# Allegro board 6089-103-RevB_76.brd (continued)
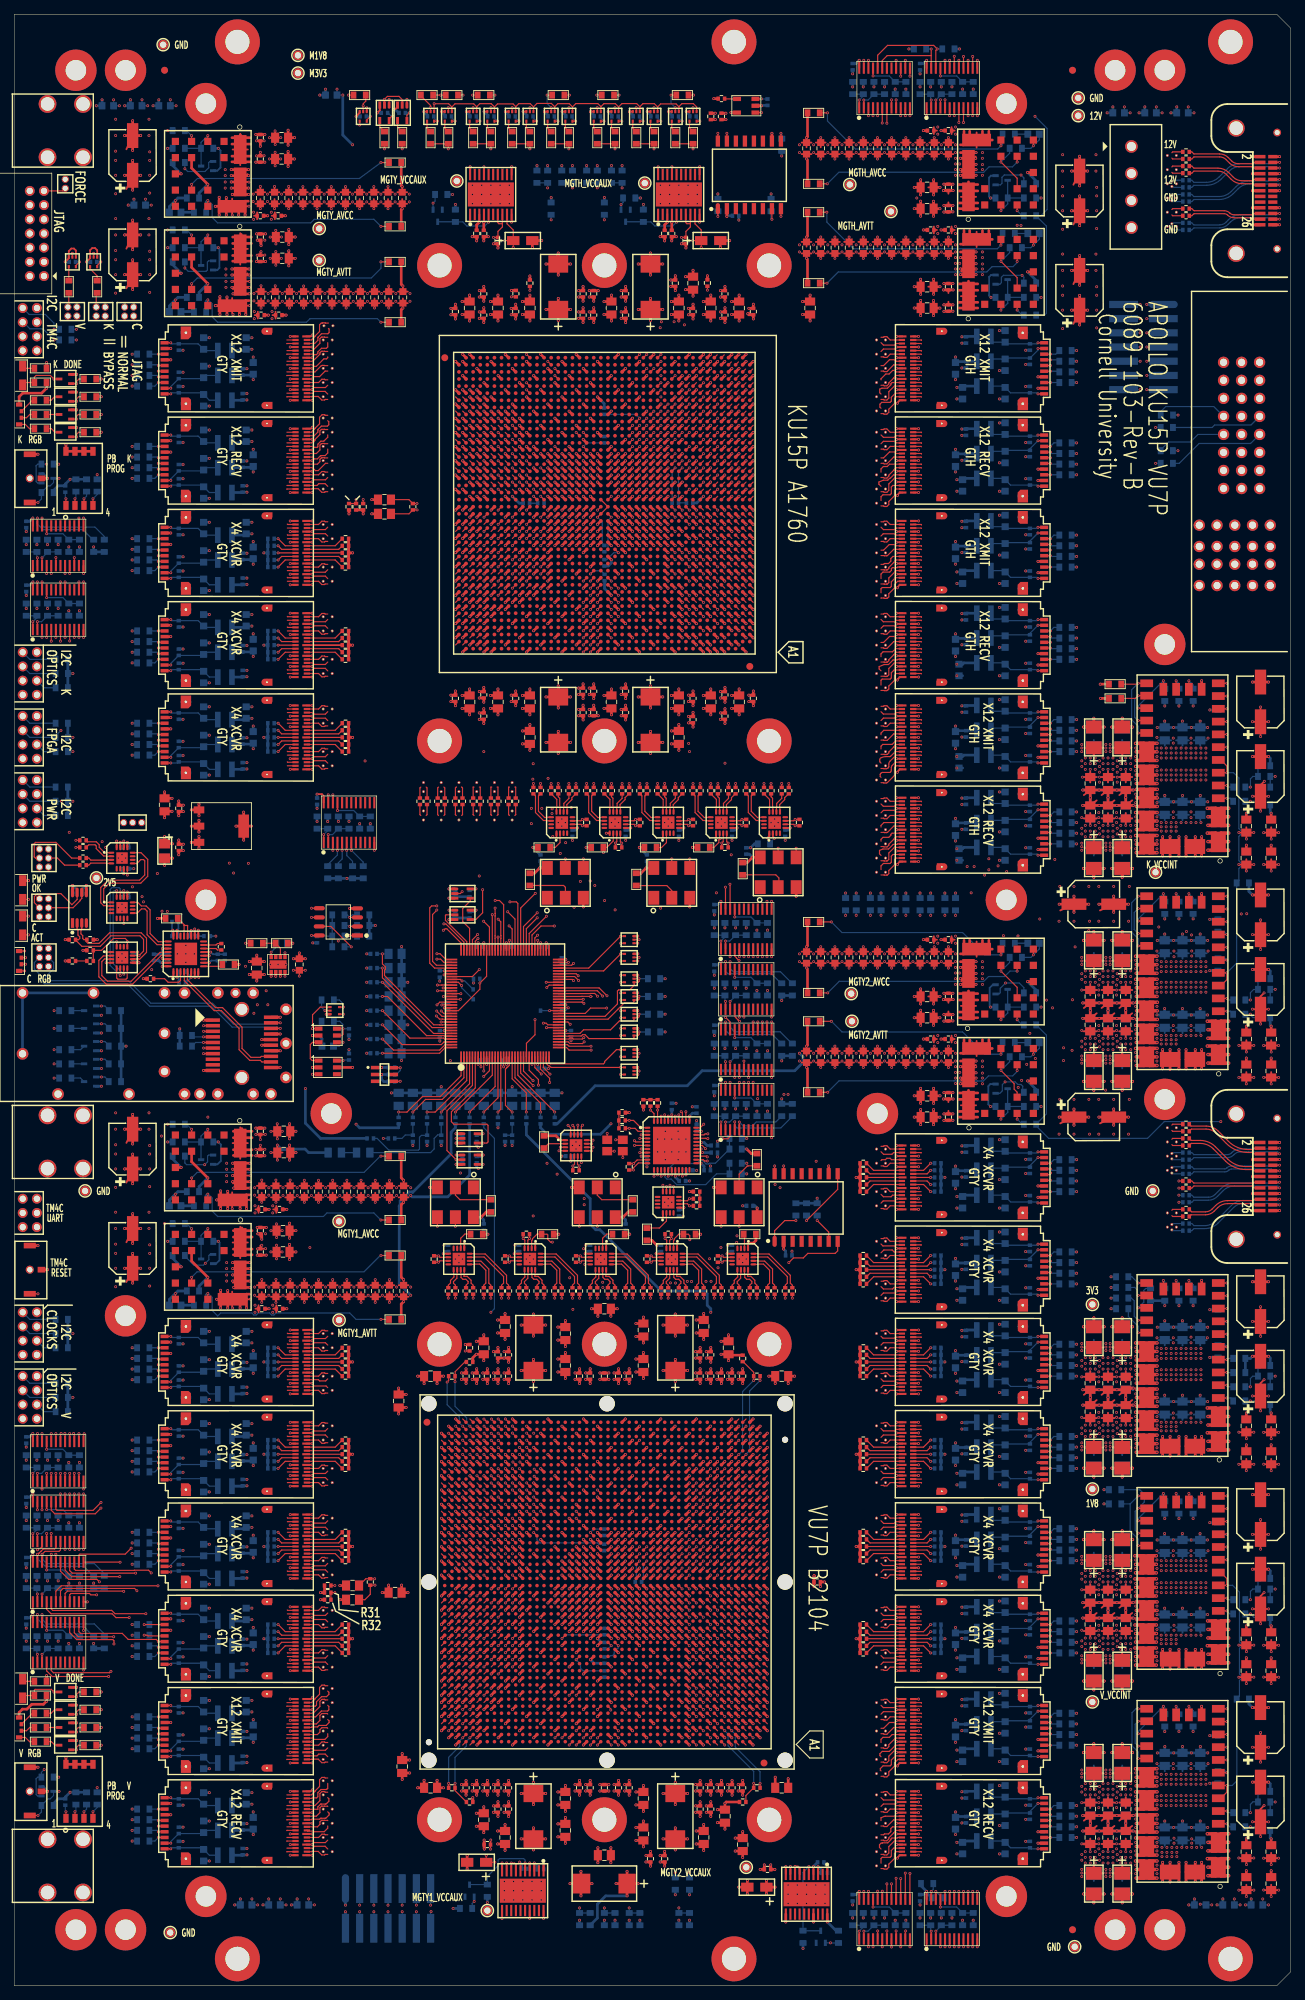
[diagram p0: board, top side]
## Routing (per net, layer and track width the routed paths; a pad name or vN(x,y) marks a point on that pad's centre or on a via; arc(x,y) is an arc through that point) (continued)
K_VCCINT_A_SCL: length 99
  TOP w0.165: U91.7 v1(103.53,145) ; U122.10 v1(170.95,179.93)
  SIG1 w0.079: v1(103.53,145) 103.55,145 107.05,148.5 123.37,148.5 v1(125.7,150.83) ; v1(170.95,179.93) 169.2,178.17 169.2,156.4 162.78,149.98 162.15,149.98 v1(161.35,149.19)
  SIG4 w0.079: v1(125.7,150.83) 127.34,149.19 v1(161.35,149.19)
  BOTTOM w0.165: R388.1 v1(125.7,150.83)
K_VCCINT_A_SDA: length 104.3
  TOP w0.165: U91.6 v1(102.88,145) ; U122.11 v1(170.95,181.72)
  SIG1 w0.079: v1(170.95,181.72) 170.43,181.2 156.8,181.2 152.06,176.46 152.06,156.54 151.86,156.34 151.86,156.05 152.19,155.71 152.19,149.37 v1(151.49,148.66) ; v1(102.88,145) 106.26,148.38 106.46,148.38 106.92,148.84 122.22,148.84 v1(124.2,150.83)
  SIG3 w0.079: v1(151.49,148.66) 151.44,148.66 150.82,149.27 125.75,149.27 v1(124.2,150.83)
  BOTTOM w0.165: R391.1 v1(124.2,150.83)
K_VCCINT_B_SCL: length 72.2
  TOP w0.165: U91.9 v1(104.83,145) ; U123.10 v1(170.95,149.93)
  SIG1 w0.079: v1(104.83,145) 104.84,145 107.64,147.8 126.17,147.8 v1(129.2,150.83)
  SIG4 w0.079: v1(170.95,149.93) 170.64,149.61 130.42,149.61 v1(129.2,150.83)
  BOTTOM w0.165: R380.1 v1(129.2,150.83)
K_VCCINT_B_SDA: length 73.7
  TOP w0.165: U91.8 v1(104.17,145) ; U123.11 v1(170.95,151.72)
  SIG1 w0.079: v1(127.7,150.83) 124.97,148.1 107.28,148.1 v1(104.17,145)
  SIG3 w0.079: v1(170.95,151.72) 170.64,151.41 158.29,151.41 157.97,151.72 146.9,151.72 144.99,149.81 128.71,149.81 v1(127.7,150.83)
  BOTTOM w0.165: R385.1 v1(127.7,150.83)
K_VCCINT_PG_A: length 11.2
  TOP w0.165: U69.4 v1(85.49,147.9) 80.99,143.4 U52.61
K_VCCINT_PG_A_1: length 110.5
  TOP w0.165: U69.1 v1(87.91,146.9)
  SIG1 w0.079: v1(173.75,151.06) 172.98,151.83 172.98,157.83 172.99,157.84 172.99,162.65 172.98,162.66 172.98,165.61 v1(174.27,166.9)
  SIG4 w0.079: v1(173.75,151.06) 173.75,150.19 169.87,146.3 158.74,146.3 158.5,146.06 149.76,146.06 149.71,146.01 149.41,146.01 149.36,146.06 99.51,146.06 98.67,146.9 v1(87.91,146.9)
  BOTTOM w0.165: R216.2 v1(174.27,166.9) 174.84,166.9 R196.1 R195.2
K_VCCINT_PG_A_2: length 112.1
  TOP w0.165: U69.2 v1(88.09,147.4)
  SIG1 w0.079: v1(174.27,168.9) 172.1,166.73 172.1,151.91 v1(172.99,151.03)
  SIG4 w0.079: v1(88.09,147.4) 88.49,147.8 128.81,147.8 130.06,146.56 130.34,146.56 130.59,146.8 132.31,146.8 132.56,146.56 132.84,146.56 133.18,146.89 168.88,146.89 172.99,151 v1(172.99,151.03)
  BOTTOM w0.165: R215.2 v1(174.27,168.9) 174.28,168.91 174.28,170.06 174.62,170.4 R194.2 R193.1
K_VCCINT_PG_B: length 10.3
  TOP w0.165: U70.4 v1(85.49,145.4) 83.09,143 U52.60
K_VCCINT_PG_B_1: length 95.8
  TOP w0.165: U70.1 v1(87.91,144.4)
  SIG4 w0.079: v1(87.91,144.4) 89.26,143.04 138.65,143.04 138.95,143.34 142.86,143.34 150.53,135.67 160.97,135.67 160.97,135.67 161.57,135.67 162.3,136.4 173.77,136.4 v1(174.27,136.9)
  BOTTOM w0.165: R199.2 R200.1 175.31,136.43 174.64,136.43 174.27,136.8 v1(174.27,136.9) R218.2
K_VCCINT_PG_B_2: length 94.9
  TOP w0.165: U70.2 v1(88.09,144.9)
  SIG4 w0.079: v1(174.27,138.9) 173.58,139.59 170.9,139.59 170.31,139 160.56,139 160.48,138.92 151.07,138.92 145.99,144 136.69,144 136.64,143.96 112.56,143.96 112.51,144 111.82,144 111.27,143.46 99.88,143.46 98.43,144.9 v1(88.09,144.9)
  BOTTOM w0.165: R197.1 R198.2 175.32,140.38 174.73,140.38 174.27,139.92 v1(174.27,138.9) R217.2
K_VCCINT_PWR_EN: length 127.5
  TOP w0.165: U123.6 v1(170.95,142.72) 170.96,142.72 170.96,141.76 170.12,140.93 U123.5 ; U71.4 v1(85.49,142.4) ; U122.5 v1(170.95,170.93) 170.96,170.93 170.96,171.87 170.1,172.72 U122.6
  SIG4 w0.079: v1(85.49,142.4) 85.49,143.47 87.81,145.79 160.62,145.79 160.96,145.44 168.24,145.44 v1(170.95,142.72)
  BOTTOM w0.165: v1(170.95,170.93) 171.91,170.93 172.65,170.19 172.65,163.05 173.03,162.67 173.03,162.34 172.65,161.96 172.65,158.53 173.03,158.14 173.03,157.82 172.65,157.43 172.65,155.71 R213.1 172.34,144.11 v1(170.95,142.72)
KU15P_FROM_TM4C_0: length 60.3
  TOP w0.165: U46.4 65.08,150.24 66.03,151.19 v1(66.03,154.44) ; U65.D22 v1(82.23,190.93)
  SIG2 w0.079: v1(81.84,155.03) 81.77,155.03 81.18,154.44 v1(66.03,154.44)
  SIG4 w0.079: v1(81.84,155.03) 81.84,163.12 80.23,164.73 80.23,175.9 82.12,177.78 82.12,178.68 81.99,178.81 81.99,179.09 82.25,179.35 82.25,183.66 82.12,183.79 82.12,187.01 82.83,187.72 82.83,190.39 82.29,190.93 v1(82.23,190.93)
KU15P_TO_TM4C_0: length 62.4
  TOP w0.165: U45.2 62.89,153.9 v1(63.15,154.16) ; U65.H22 v1(82.23,194.93)
  SIG2 w0.079: v1(63.15,154.16) 63.98,154.99 80.52,154.99 v1(81.2,155.67)
  SIG4 w0.079: v1(81.2,155.67) 80.92,155.95 80.92,159.91 81.28,160.27 81.28,160.95 79.49,162.74 79.49,162.74 79.75,163.01 79.75,163.29 79.49,163.56 79.49,169.17 79.57,169.25 79.57,169.56 79.49,169.64 79.49,175.88 81.74,178.13 81.74,179.99 82.04,180.29 82.04,183.58 81.74,183.88 81.74,194.4 82.23,194.89 v1(82.23,194.93)
NCDR_DAT_CML: length 17.5
  TOP w0.165: U8.3 9.53,148.9 9.41,148.79 9.41,148.22 9.66,147.97 9.66,147.57 9.82,147.4 R18.2 10.25,147.05 10.42,146.89 11.97,146.89 13.45,148.37 17.91,148.37 18.65,147.62 18.65,145.62 17.69,144.65 v1(17.41,144.65) U12.10 16.78,144.73 17.05,144.73
NCDR_DATA: length 6.1
  TOP w0.165: J10.5 8.3,151.9 9.29,152.9 9.29,152.97 9.53,153.2 U8.6
Net_1878: length 0.7
  TOP w0.165: 82.69,69.4 v1(82.23,69.86)
Net_2125: length 0.7
  TOP w0.165: 87.7,76.41 v1(88.16,76.87)
Net_2769: length 0.7
  TOP w0.165: 89.7,221.4 v1(90.17,221.87)
Net_2770: length 0.7
  TOP w0.165: 90.7,221.4 v1(91.17,221.87)
Net_2987: length 1.2
  TOP w0.165: 169.75,91.83 v1(170.95,91.83)
Net_2988: length 1.2
  TOP w0.165: 169.75,99.03 v1(170.95,99.03)
Net_3022: length 1.1
  TOP w0.165: 2.62,45.6 v1(2.62,44.5)
Net_3023: length 1.1
  TOP w0.165: 5.22,59.7 v1(5.22,60.8)
Net_3024: length 1.1
  TOP w0.165: 5.88,59.7 v1(5.88,60.8)
Net_3027: length 1.1
  TOP w0.165: 2.62,54.1 v1(2.62,53)
Net_3028: length 1.1
  TOP w0.165: 128.62,6.6 v1(128.62,5.5)
Net_3033: length 1.1
  TOP w0.165: 2.62,200.1 v1(2.62,199)
Net_3034: length 1.1
  TOP w0.165: 128.62,264.6 v1(128.62,263.5)
Net_3057: length 1.1
  TOP w0.165: 7.17,68.2 v1(7.17,69.3)
Net_3058: length 1.1
  TOP w0.165: 8.47,68.2 v1(8.47,69.3)
Net_3059: length 1.1
  TOP w0.165: 9.78,68.2 v1(9.78,69.3)
Net_3060: length 1.2
  TOP w0.165: v1(8.56,61.47) 8.47,61.47 8.47,62.6
Net_3061: length 1.1
  TOP w0.165: 6.53,68.2 v1(6.53,69.3)
Net_3062: length 1.1
  TOP w0.165: 7.83,68.2 v1(7.83,69.3)
Net_3063: length 1.1
  TOP w0.165: 9.12,68.2 v1(9.12,69.3)
Net_3064: length 1.1
  TOP w0.165: 9.12,62.6 v1(9.12,61.5)
Net_3065: length 1.1
  TOP w0.165: 5.88,76.7 v1(5.88,77.8)
Net_3066: length 1.2
  TOP w0.165: v1(7.15,77.83) 7.17,77.83 7.17,76.7
Net_3067: length 1.1
  TOP w0.165: 5.22,76.7 v1(5.22,77.8)
Net_3068: length 1.2
  TOP w0.165: v1(6.61,77.83) 6.53,77.83 6.53,76.7
Net_3139: length 1.2
  TOP w0.165: 169.75,39.02 v1(170.95,39.02)
Net_3140: length 1.2
  TOP w0.165: 169.75,69.03 v1(170.95,69.03)
Net_3141: length 1.2
  TOP w0.165: 169.75,153.53 v1(170.95,153.53)
Net_3142: length 1.2
  TOP w0.165: 169.75,183.53 v1(170.95,183.53)
Net_3186: length 0.9
  TOP w0.165: 79.95,116.9 v1(79.95,116)
Net_3187: length 0.7
  TOP w0.165: 77.7,118.15 v1(76.99,118.15)
Net_3188: length 0.9
  TOP w0.165: 77.7,117.65 v1(76.8,117.65)
Net_3197: length 0.7
  TOP w0.165: 93.2,121.83 v1(93.2,122.53)
Net_3198: length 0.9
  TOP w0.165: 91.7,121.83 v1(91.7,122.72)
Net_3199: length 0.7
  TOP w0.165: 91.2,121.83 v1(91.2,122.53)
NHIGH_PERF_CLK0: length 24.5
  TOP w0.165: R127.2 v1(89.81,101.95) 90.01,102.15 U83.7 ; U61.10 v1(81.6,118.15)
  SIG2 w0.083: v1(81.6,118.15) 81.14,118.15 80.59,117.6 80.59,111.22 80.73,111.08 80.73,110.77 80.59,110.63 80.59,110.35 80.73,110.21 80.73,110.09 88.52,102.3 89.73,102.3 89.81,102.21 v1(89.81,101.95)
NHIGH_PERF_CLK1: length 28.3
  TOP w0.165: U56.7 70.01,102.15 v1(69.81,101.95) R97.2 ; U61.12 v1(81.6,119.15)
  SIG1 w0.083: v1(81.6,119.15) 81.88,119.15 82.36,118.67 82.36,117.53 81.83,117.01 78.14,117.01 71.36,110.23 71.36,103.23 70.42,102.3 69.89,102.3 69.81,102.21 v1(69.81,101.95)
NHIGH_PERF_CLK2: length 65.2
  TOP w0.165: U61.14 79.46,119.91 v1(79.46,121.26) ; U87.7 102.39,164.15 v1(102.59,164.35) R147.2
  SIG1 w0.083: v1(79.46,121.26) 79.69,121.49 79.69,123.53 84.03,127.88 84.03,161.32 84.96,162.25 99.4,162.25 101.17,164.02 102.26,164.02 v1(102.59,164.35)
NHIGH_PERF_CLK3: length 52.5
  TOP w0.165: R125.2 v1(87.59,164.35) 87.39,164.15 U68.7 ; U61.16 78.45,120.87 v1(78.08,121.23)
  SIG1 w0.083: v1(87.59,164.35) 87.59,164.09 87.51,164 87.31,164 87.3,164 86.75,164 85.72,162.97 83.23,162.97 82.22,161.96 82.22,142.43 79.48,139.7 79.48,133.63 78.26,132.41 78.26,121.42 v1(78.08,121.23)
NHIGH_PERF_CLK_BUF0: length 17.7
  TOP w0.165: R110.1 v1(79.65,115.51) 79.41,115.75 79.41,116.22 79.45,116.26 U61.7 ; U80.12 v1(91.45,112.8)
  SIG1 w0.083: v1(79.65,115.51) 79.39,115.51 79.3,115.43 79.3,115.31 82.7,111.91 90.95,111.91 91.45,112.41 91.45,112.41 v1(91.45,112.8)
NHIGH_PERF_CLK_BUF1: length 10.7
  TOP w0.165: R121.1 v1(87.31,114.95) 87.31,115.26 87.99,115.94 88.59,115.94 88.63,115.9 U81.11 ; U80.10 v1(92.45,112.8)
  SIG1 w0.083: v1(87.31,114.95) 87.31,115.21 87.39,115.3 88,115.3 89.95,113.35 92.15,113.35 92.45,113.05 v1(92.45,112.8)
NK_CDR_DATA: length 105
  TOP w0.165: U65.G24 v1(80.23,193.93)
  SIG3 w0.083: v1(80.23,193.93) 80.23,194.24 80.14,194.32 80.12,194.32 80.12,194.32 80.03,194.32 79.95,194.32 79.94,194.33 79.94,194.33 55.27,194.33 49.81,188.87 49.81,175.01 44.19,169.39 15.88,169.39 6.25,159.76 6.25,157.33 4.3,155.38 4.3,153.7 J10.4
NK_FF1_RECV0: length 50.6
  TOP w0.165: 122.2,166.52 122.52,166.2 124.14,166.2 124.34,166.4 U109.A17 ; U65.R3 102.17,201.93
  SIG4 w0.083: 102.17,201.93 101.86,201.93 101.78,202.01 101.78,202.13 arc(101.82,202.23) 101.92,202.27 104.27,202.27 arc(104.47,202.23) 104.64,202.12 111.52,195.24 arc(112.55,193.7) 112.9,191.9 112.91,190.11 arc(113.22,188.53) 114.12,187.19 119.63,181.67 arc(120.05,181.04) 120.2,180.3 120.2,171.06 arc(120.19,171.03) 120.16,171.01 arc(120.13,171) 120.11,170.97 120.11,170.73 arc(120.13,170.7) 120.16,170.68 arc(120.19,170.67) 120.2,170.64 120.2,170.4 arc(120.19,170.37) 120.16,170.35 arc(120.13,170.34) 120.11,170.31 120.11,170.07 arc(120.13,170.04) 120.16,170.02 arc(120.19,170.01) 120.2,169.98 120.2,169.74 arc(120.19,169.71) 120.16,169.69 arc(120.13,169.68) 120.11,169.65 120.11,169.41 arc(120.13,169.38) 120.16,169.36 arc(120.19,169.35) 120.2,169.32 120.2,167.89 arc(120.27,167.53) 120.47,167.23 120.79,166.92 arc(120.86,166.87) 120.95,166.85 121.03,166.85 arc(121.07,166.84) 121.11,166.81 121.33,166.6 arc(121.42,166.54) 121.52,166.52 122.2,166.52
NK_FF1_RECV1: length 49.8
  TOP w0.165: U109.B17 127.85,166.4 127.9,166.35 ; U65.P1 104.17,200.93
  SIG2 w0.083: 127.9,166.35 127.61,166.35 127.45,166.51 124.31,166.51 arc(123.8,166.61) 123.37,166.9 121.3,168.97 arc(121.26,168.99) 121.22,168.97 arc(121.18,168.96) 121.14,168.97 120.99,169.13 arc(120.97,169.17) 120.99,169.21 arc(121,169.25) 120.99,169.28 120.83,169.44 arc(120.79,169.46) 120.75,169.44 arc(120.72,169.43) 120.68,169.44 120.52,169.6 arc(120.5,169.64) 120.52,169.67 arc(120.54,169.71) 120.52,169.75 120.36,169.91 arc(120.33,169.92) 120.29,169.91 arc(120.25,169.89) 120.21,169.91 120.05,170.06 arc(120.04,170.1) 120.05,170.14 arc(120.07,170.18) 120.05,170.22 119.55,170.73 arc(118.45,172.37) 118.06,174.3 118.06,177.98 arc(117.7,179.82) 116.66,181.38 116.66,181.38 114.01,184.03 arc(112.77,185.88) 112.33,188.07 112.33,191.89 arc(112.03,193.43) 111.16,194.72 104.72,201.17 arc(104.49,201.32) 104.23,201.37 103.9,201.37 arc(103.86,201.36) 103.84,201.35 103.8,201.31 arc(103.78,201.29) 103.78,201.25 103.78,201.01 103.86,200.93 104.17,200.93
NK_FF1_RECV2: length 50.9
  TOP w0.165: 122.2,164.52 122.56,164.52 122.64,164.44 123.03,164.44 123.49,164.9 U109.A14 ; U65.N3 102.17,199.93
  SIG4 w0.083: 122.2,164.52 121.53,164.52 arc(121.39,164.55) 121.28,164.62 121.21,164.69 arc(121.09,164.77) 120.95,164.8 120.73,164.8 arc(120.61,164.82) 120.51,164.89 119.28,166.12 arc(118.96,166.6) 118.85,167.16 118.85,168.4 arc(118.84,168.43) 118.81,168.45 arc(118.77,168.46) 118.76,168.49 118.76,168.73 arc(118.77,168.76) 118.81,168.78 arc(118.84,168.79) 118.85,168.82 118.85,169.06 arc(118.84,169.09) 118.81,169.11 arc(118.77,169.12) 118.76,169.15 118.76,169.39 arc(118.77,169.42) 118.81,169.44 arc(118.84,169.45) 118.85,169.48 118.85,169.72 arc(118.84,169.75) 118.81,169.77 arc(118.77,169.78) 118.76,169.81 118.76,170.05 arc(118.77,170.08) 118.81,170.1 arc(118.84,170.11) 118.85,170.14 118.85,179.44 arc(118.62,180.6) 117.96,181.59 113.05,186.5 arc(112.09,187.93) 111.76,189.61 111.76,191.78 arc(111.52,193) 110.82,194.04 104.7,200.16 arc(104.54,200.27) 104.34,200.31 101.93,200.31 arc(101.82,200.27) 101.78,200.16 101.78,200.01 101.86,199.93 102.17,199.93
NK_FF1_RECV3: length 49.9
  TOP w0.165: 127.9,164.85 127.85,164.9 U109.B14 ; U65.M1 104.17,198.93
  SIG2 w0.083: 127.9,164.85 127.61,164.85 127.49,164.97 124.63,164.97 arc(124.29,165.04) 124,165.23 123.67,165.56 arc(123.44,165.71) 123.17,165.77 122.23,165.77 arc(121.79,165.85) 121.41,166.1 119.77,167.75 arc(119.73,167.77) 119.69,167.75 arc(119.65,167.74) 119.61,167.75 119.46,167.91 arc(119.44,167.95) 119.46,167.98 arc(119.47,168.02) 119.46,168.06 119.3,168.22 arc(119.26,168.23) 119.22,168.22 arc(119.18,168.2) 119.15,168.22 118.99,168.38 arc(118.97,168.41) 118.99,168.45 118.99,168.45 arc(119,168.49) 118.99,168.53 118.83,168.69 arc(118.79,168.7) 118.76,168.69 118.76,168.69 arc(118.72,168.67) 118.68,168.69 118.52,168.84 arc(118.51,168.88) 118.52,168.92 arc(118.54,168.96) 118.52,169 117.95,169.57 arc(117.05,170.92) 116.73,172.51 116.73,177.63 arc(116.42,179.2) 115.53,180.52 112.77,183.29 arc(111.59,185.06) 111.17,187.15 111.17,191.08 arc(110.88,192.54) 110.05,193.79 104.76,199.07 arc(104.51,199.24) 104.21,199.3 103.9,199.3 arc(103.86,199.29) 103.84,199.28 103.8,199.24 arc(103.78,199.21) 103.78,199.18 103.78,199.01 103.86,198.93 104.17,198.93
NK_FF1_RECV4: length 50.8
  TOP w0.165: 122.2,162.52 122.63,162.52 122.66,162.49 123.01,162.49 123.04,162.52 123.11,162.52 123.99,163.4 U109.A11 ; U65.L3 102.17,197.93
  SIG4 w0.083: 122.2,162.52 121.52,162.52 arc(121.42,162.54) 121.33,162.6 121.18,162.75 arc(121.13,162.79) 121.06,162.8 120.98,162.8 arc(120.87,162.82) 120.78,162.88 118.32,165.34 arc(117.67,166.32) 117.44,167.47 117.44,168.32 arc(117.43,168.35) 117.39,168.37 arc(117.36,168.38) 117.34,168.41 117.34,168.65 arc(117.36,168.68) 117.39,168.7 arc(117.43,168.71) 117.44,168.74 117.44,168.98 arc(117.43,169.01) 117.39,169.03 arc(117.36,169.04) 117.34,169.07 117.34,169.31 arc(117.36,169.34) 117.39,169.36 arc(117.43,169.37) 117.44,169.4 117.44,169.64 arc(117.43,169.67) 117.39,169.69 arc(117.36,169.7) 117.34,169.73 117.34,169.97 arc(117.36,170) 117.39,170.02 arc(117.43,170.03) 117.44,170.06 117.44,179.06 arc(117.21,180.21) 116.56,181.19 111.84,185.91 arc(110.83,187.42) 110.48,189.19 110.48,190.98 arc(110.23,192.24) 109.52,193.31 104.78,198.04 arc(104.53,198.21) 104.23,198.27 101.9,198.27 arc(101.86,198.26) 101.83,198.24 arc(101.8,198.18) 101.78,198.11 arc(101.78,198.08) 101.77,198.05 arc(101.78,197.99) 101.82,197.94 arc(101.88,197.92) 101.95,197.93 102.17,197.93
NK_FF1_RECV5: length 50
  TOP w0.165: U65.K1 104.17,196.93 ; U109.B11 127.85,163.4 127.9,163.35
  SIG2 w0.083: 127.9,163.35 127.61,163.35 127.44,163.52 126.39,163.52 arc(126.21,163.56) 126.06,163.66 125.93,163.79 arc(125.91,163.81) 125.87,163.81 122.01,163.81 arc(121.66,163.88) 121.37,164.07 118.7,166.75 arc(118.66,166.76) 118.62,166.75 arc(118.57,166.73) 118.53,166.75 118.38,166.89 arc(118.36,166.94) 118.38,166.98 arc(118.4,167.02) 118.38,167.07 118.23,167.21 arc(118.19,167.23) 118.15,167.21 arc(118.11,167.2) 118.06,167.21 117.92,167.36 arc(117.9,167.4) 117.92,167.45 arc(117.93,167.49) 117.92,167.53 117.77,167.68 arc(117.73,167.7) 117.68,167.68 arc(117.64,167.66) 117.6,167.68 117.45,167.83 arc(117.43,167.87) 117.45,167.91 arc(117.47,167.96) 117.45,168 116.66,168.79 arc(115.7,170.23) 115.36,171.92 115.36,177.14 arc(115,178.94) 113.98,180.46 111.34,183.1 arc(110.24,184.75) 109.86,186.7 109.86,190.69 arc(109.62,191.88) 108.94,192.9 104.72,197.12 arc(104.44,197.3) 104.11,197.37 103.9,197.37 arc(103.86,197.36) 103.84,197.35 103.8,197.31 arc(103.78,197.29) 103.78,197.25 103.78,197.01 103.86,196.93 104.17,196.93
NK_FF1_RECV6: length 51
  TOP w0.165: U109.A8 124.35,161.9 124.24,161.79 124.23,161.79 124,161.56 124,161.55 123.3,160.85 123.3,160.71 123.06,160.47 122.61,160.47 122.56,160.52 122.2,160.52 ; U65.J3 102.17,195.93
  SIG4 w0.083: 102.17,195.93 101.86,195.93 101.78,196.01 101.78,196.16 arc(101.82,196.26) 101.93,196.31 104.21,196.31 arc(104.48,196.25) 104.71,196.1 108.27,192.54 arc(109.01,191.42) 109.27,190.11 109.28,190.11 109.28,188.65 arc(109.62,186.92) 110.6,185.45 114.74,181.31 arc(115.59,180.04) 115.89,178.53 115.89,167.58 arc(116.23,165.86) 117.21,164.4 118.17,163.44 arc(118.18,163.41) 118.17,163.37 arc(118.15,163.34) 118.17,163.3 118.33,163.14 arc(118.37,163.12) 118.4,163.14 arc(118.44,163.15) 118.47,163.14 118.64,162.97 arc(118.65,162.94) 118.64,162.9 arc(118.62,162.87) 118.64,162.83 118.8,162.67 arc(118.83,162.66) 118.87,162.67 arc(118.9,162.69) 118.94,162.67 119.1,162.51 arc(119.12,162.47) 119.1,162.44 arc(119.09,162.4) 119.1,162.37 119.27,162.2 arc(119.3,162.19) 119.34,162.2 arc(119.37,162.22) 119.41,162.2 120.76,160.85 arc(120.82,160.81) 120.89,160.8 121.06,160.8 arc(121.13,160.78) 121.2,160.74 121.33,160.6 arc(121.43,160.54) 121.54,160.52 122.2,160.52
NK_FF1_RECV7: length 49.9
  TOP w0.165: U109.B8 127.85,161.9 127.9,161.85 ; U65.H1 104.17,194.93
  SIG2 w0.083: 104.17,194.93 103.86,194.93 103.78,195.01 103.78,195.25 arc(103.78,195.29) 103.8,195.31 103.84,195.35 arc(103.86,195.36) 103.9,195.37 104.39,195.37 arc(104.53,195.34) 104.65,195.26 107.83,192.09 arc(108.49,191.09) 108.72,189.93 108.72,186.09 arc(109.08,184.3) 110.1,182.78 112.45,180.43 arc(113.54,178.79) 113.92,176.86 113.92,171.26 arc(114.24,169.67) 115.14,168.32 116.76,166.7 arc(116.78,166.66) 116.76,166.63 arc(116.75,166.59) 116.76,166.55 116.93,166.39 arc(116.96,166.38) 117,166.39 arc(117.03,166.41) 117.07,166.39 117.23,166.23 arc(117.25,166.2) 117.23,166.16 117.23,166.16 arc(117.22,166.12) 117.23,166.09 117.39,165.93 arc(117.43,165.91) 117.46,165.93 arc(117.5,165.94) 117.54,165.93 121.28,162.18 arc(121.58,161.98) 121.93,161.91 124.94,161.91 arc(125.53,161.96) 126.1,162.12 arc(126.16,162.14) 126.22,162.16 arc(126.26,162.17) 126.3,162.17 127.33,162.17 arc(127.41,162.14) 127.45,162.06 arc(127.45,162.02) 127.48,161.98 127.58,161.88 arc(127.61,161.86) 127.65,161.85 127.9,161.85
NK_FF1_RECV8: length 51.6
  TOP w0.165: U109.A5 124.08,160.4 123.3,159.62 123.3,158.71 123.11,158.52 123.04,158.52 123.01,158.49 122.66,158.49 122.63,158.52 122.2,158.52 ; U65.G3 102.17,193.93
  SIG4 w0.083: 102.17,193.93 101.86,193.93 101.78,194.01 101.78,194.16 arc(101.78,194.19) 101.8,194.22 101.85,194.26 arc(101.88,194.28) 101.91,194.29 104.28,194.29 arc(104.5,194.24) 104.69,194.12 106.84,191.96 arc(107.8,190.52) 108.14,188.82 108.14,188.3 arc(108.45,186.74) 109.34,185.41 113.17,181.58 arc(113.93,180.44) 114.2,179.09 114.2,167.19 arc(114.52,165.59) 115.42,164.24 117.09,162.57 arc(117.11,162.52) 117.09,162.47 arc(117.07,162.42) 117.09,162.37 117.22,162.24 arc(117.27,162.22) 117.32,162.24 arc(117.37,162.26) 117.42,162.24 117.56,162.11 arc(117.58,162.06) 117.56,162.01 arc(117.53,161.96) 117.56,161.9 117.69,161.77 arc(117.74,161.75) 117.79,161.77 arc(117.84,161.79) 117.89,161.77 120.77,158.89 arc(120.87,158.82) 120.99,158.8 121.07,158.8 arc(121.12,158.79) 121.16,158.76 121.28,158.65 arc(121.42,158.55) 121.58,158.52 122.2,158.52
NK_FF1_RECV9: length 50.3
  TOP w0.165: U65.F1 104.17,192.93 ; 127.9,160.35 127.85,160.4 U109.B5
  SIG2 w0.083: 127.9,160.35 127.61,160.35 127.45,160.51 124.65,160.51 arc(124.34,160.45) 124.08,160.28 124,160.2 arc(123.68,159.99) 123.31,159.91 122.15,159.91 arc(121.68,160.01) 121.27,160.28 116.83,164.72 arc(116.78,164.74) 116.74,164.72 arc(116.7,164.7) 116.66,164.72 116.51,164.87 arc(116.49,164.91) 116.51,164.95 arc(116.53,164.99) 116.51,165.04 116.36,165.19 arc(116.32,165.2) 116.28,165.19 arc(116.23,165.17) 116.19,165.19 116.04,165.33 arc(116.02,165.38) 116.04,165.42 arc(116.06,165.46) 116.04,165.5 115.89,165.65 arc(115.85,165.67) 115.81,165.65 arc(115.77,165.63) 115.72,165.65 115.58,165.8 arc(115.56,165.84) 115.58,165.89 arc(115.59,165.93) 115.58,165.97 113.42,168.12 arc(112.73,169.16) 112.49,170.38 112.49,177.53 arc(112.25,178.71) 111.58,179.72 111.58,179.72 109,182.3 arc(107.94,183.88) 107.57,185.75 107.57,189.64 arc(107.4,190.5) 106.91,191.23 105.03,193.11 arc(104.74,193.3) 104.41,193.37 103.9,193.37 arc(103.86,193.36) 103.84,193.35 103.8,193.31 arc(103.78,193.29) 103.78,193.25 103.78,193.01 103.86,192.93 104.17,192.93
NK_FF1_RECV10: length 52.3
  TOP w0.165: 122.2,156.52 122.63,156.52 122.66,156.49 123.01,156.49 123.04,156.52 123.11,156.52 123.3,156.71 123.3,157.15 124.1,157.95 124.1,158.22 124.1,158.68 124.32,158.9 U109.A2 ; U65.E3 102.17,191.93
  SIG4 w0.083: 122.2,156.52 121.56,156.52 arc(121.41,156.55) 121.28,156.63 121.18,156.74 arc(121.08,156.81) 120.96,156.83 120.55,156.83 arc(120.41,156.86) 120.28,156.94 116.93,160.3 arc(116.88,160.32) 116.83,160.3 arc(116.78,160.28) 116.73,160.3 116.6,160.43 arc(116.58,160.48) 116.6,160.53 arc(116.62,160.58) 116.6,160.63 116.46,160.76 arc(116.41,160.78) 116.36,160.76 arc(116.31,160.74) 116.27,160.76 116.13,160.9 arc(116.11,160.95) 116.13,161 arc(116.15,161.05) 116.13,161.09 114.37,162.85 arc(113.37,163.9) 112.42,165 110.95,166.75 arc(110.52,167.4) 110.21,168.11 110.12,168.43 arc(109.87,169.49) 109.79,170.58 109.79,179.12 arc(109.55,180.36) 108.85,181.41 105.82,184.44 arc(105.14,185.45) 104.9,186.65 104.9,191.75 arc(104.87,191.91) 104.78,192.04 104.54,192.28 arc(104.46,192.33) 104.36,192.35 101.9,192.35 101.84,192.32 arc(101.79,192.24) 101.78,192.15 101.78,192.08 arc(101.79,192.01) 101.83,191.96 101.86,191.93 102.17,191.93
NK_FF1_RECV11: length 50.4
  TOP w0.165: U65.D1 104.17,190.93 ; U109.B2 127.85,158.9 127.9,158.85
  SIG2 w0.083: 127.9,158.85 127.61,158.85 127.45,159.01 125.26,159.01 arc(124.67,158.9) 124.18,158.57 124.11,158.49 arc(123.44,158.05) 122.65,157.89 122.15,157.89 arc(121.6,158) 121.13,158.32 115.51,163.93 arc(115.48,163.94) 115.44,163.93 arc(115.4,163.91) 115.36,163.93 115.2,164.08 arc(115.19,164.12) 115.2,164.16 arc(115.22,164.2) 115.2,164.24 115.05,164.39 arc(115.01,164.41) 114.97,164.39 arc(114.93,164.38) 114.89,164.39 114.74,164.55 arc(114.72,164.59) 114.74,164.63 arc(114.75,164.67) 114.74,164.7 114.58,164.86 arc(114.54,164.88) 114.5,164.86 114.5,164.86 arc(114.47,164.85) 114.43,164.86 114.27,165.02 arc(114.25,165.06) 114.27,165.09 arc(114.29,165.13) 114.27,165.17 112.04,167.41 arc(111.48,168.23) 111.29,169.21 111.29,177.12 arc(111.05,178.32) 110.37,179.34 105.81,183.9 arc(105.08,184.99) 104.83,186.27 104.83,190.87 arc(104.79,191.06) 104.68,191.22 104.65,191.26 arc(104.55,191.32) 104.43,191.35 103.9,191.35 arc(103.86,191.34) 103.84,191.32 103.8,191.29 arc(103.78,191.26) 103.78,191.23 103.78,191.01 103.86,190.93 104.17,190.93
